# Allegro board RK_NVR_DEMO1_RK3588_LP4XD200P232SD8_V21_20211228_final_lint.brd (continued)
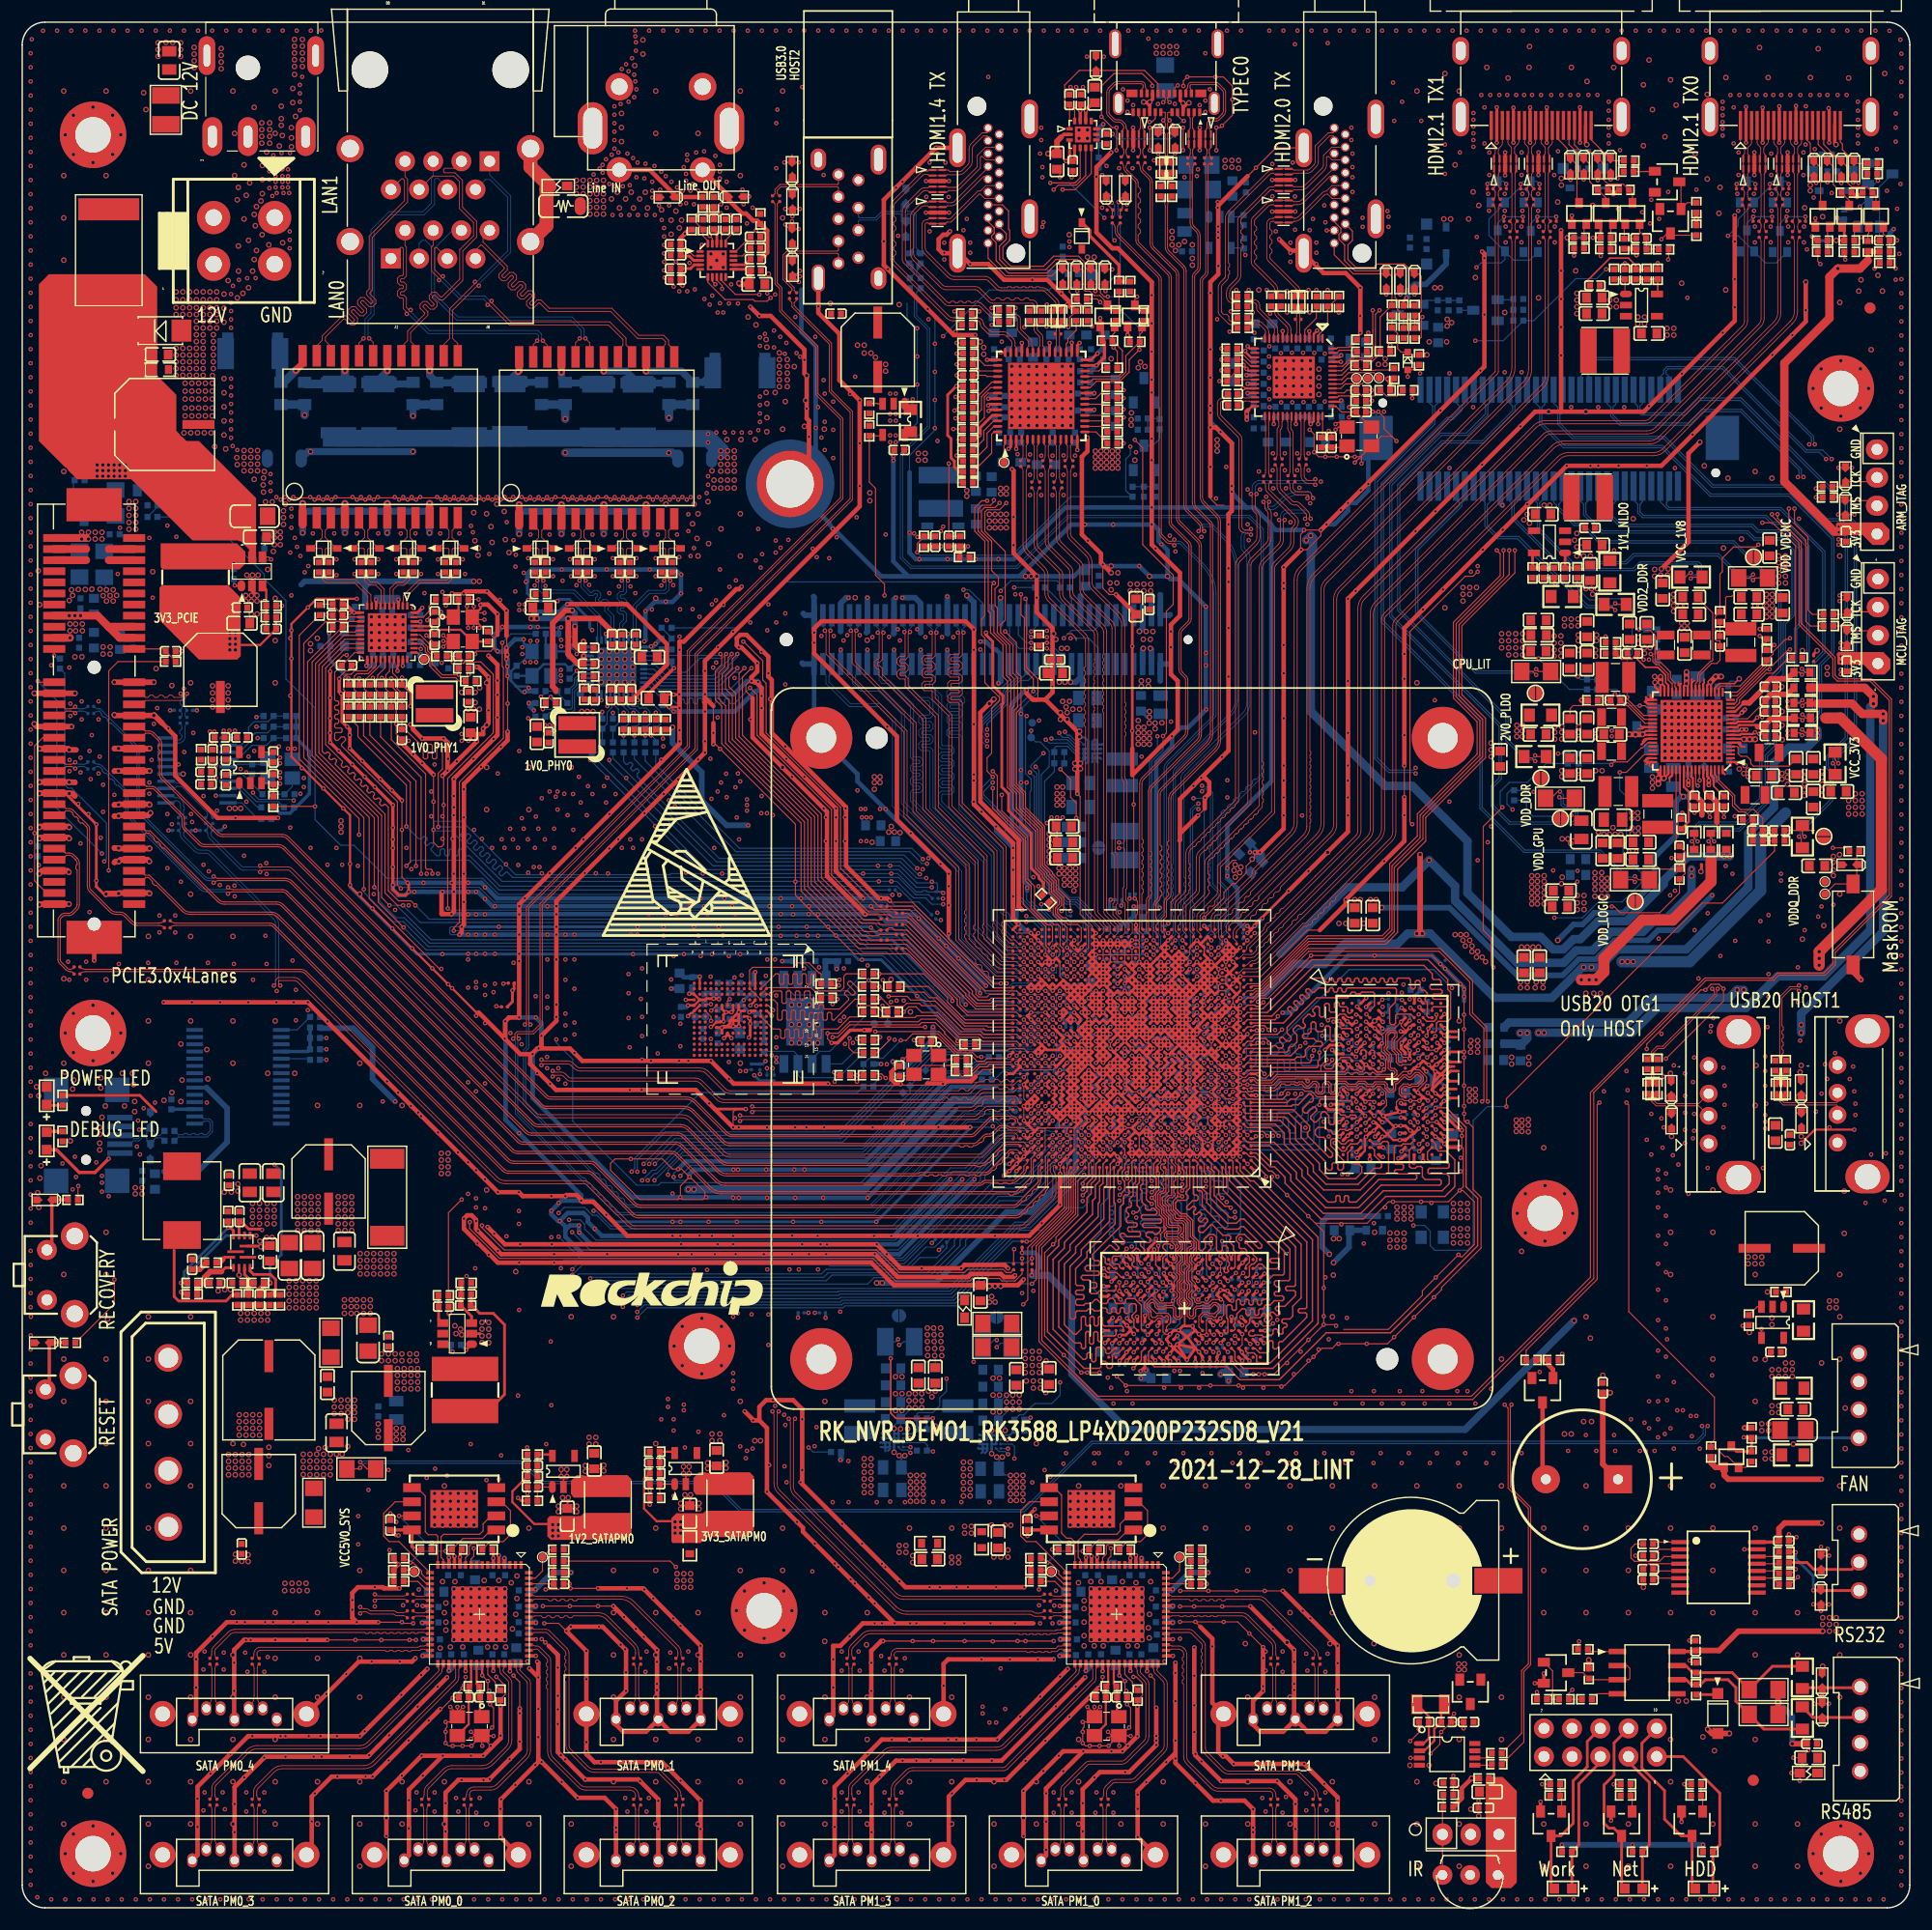
[diagram p0: board, top side]
## Routing (per net, layer and track width the routed paths; a pad name or vN(x,y) marks a point on that pad's centre or on a via; arc(x,y) is an arc through that point) (continued)
POWER_LED_EN_H_GPIO3_B7: length 162.3
  TOP w0.089: U1000.AA28 93.17,79.74
  TOP w0.102: R9006.1 v1(136.95,11.14) ; 93.17,79.74 v1(92.85,80.06)
  L4-S1 w0.089: 88.47,80.61 88.77,80.61 89,80.39 92.52,80.39 v1(92.85,80.06)
  L4-S1 w0.102: 88.47,80.61 84,80.61 82.95,81.65 79.55,81.65 v1(79.42,81.78) ; v1(87.15,16.71) 87.04,16.81 87.04,19.95 71.98,35.01 71.98,44.16 68.37,47.77 68.37,84.24 v1(67.13,85.49)
  L6-S2 w0.102: v1(87.15,16.71) 89.48,14.37 93.75,14.37 95.17,12.95 101.47,12.95 102.08,12.34 107.97,12.34 108.99,13.35 119.15,13.35 122.5,10 134.19,10 135.33,11.14 v1(136.95,11.14) ; v1(67.13,85.49) 68.35,86.71 76.48,86.71 79.42,83.76 v1(79.42,81.78)
PWM3_IR_M0: length 153.7
  TOP w0.102: R9001.1 128.95,10.2 C9000.1 v1(128.95,11.88) ; U1000.V29 v1(92.2,78.11)
  L4-S1 w0.102: v1(86.54,18.13) 86.2,18.47 86.2,20.27 83.09,23.38 79.76,23.38 78,25.14 76.48,25.14 74.85,26.76 74.85,27.58 69.87,32.55 68.32,32.55 64.49,36.39 64.49,40.68 64.18,40.99 64.18,42.82 61.34,45.66 60.42,45.66 57.78,48.3 57.78,64.86 57.58,65.07 57.58,65.98 v1(56.5,67.06)
  L6-S2 w0.102: v1(128.95,11.88) 128.9,11.83 123.26,11.83 120.62,14.47 108.21,14.47 105.54,17.14 95.2,17.14 94.77,16.71 89.08,16.71 87.65,18.13 v1(86.54,18.13)
  BOTTOM w0.089: 88.47,77.64 89.48,77.64 89.71,77.41 91.49,77.41 v1(92.2,78.11)
  BOTTOM w0.102: 88.47,77.64 85.06,77.64 84.58,77.16 82.37,77.16 79.93,74.71 79.12,74.71 73.74,69.33 58.77,69.33 v1(56.5,67.06)
PWM8_M1_BEEP: length 71.3
  TOP w0.089: U1000.AD2 110.07,81.69
  TOP w0.102: v1(132.05,72.69) 131.95,72.79 131.95,79.39 130.68,80.66 130.68,83.56 127.76,86.48 115.84,86.48 111.8,82.44 111.32,82.44 110.91,82.03 110.41,82.03 110.07,81.69 ; v1(142.11,72.59) 141.91,72.38 141.91,56.65 135.51,50.25 R7005.1
  L6-S2 w0.102: v1(142.11,72.59) 142.01,72.69 v1(132.05,72.69)
PWM9_M1_FAN: length 86.6
  TOP w0.089: U1000.AD1 110.72,81.69
  TOP w0.102: 110.72,81.69 110.88,81.69 111.42,82.23 111.93,82.23 115.92,86.23 127.66,86.23 130.43,83.46 130.43,80.56 131.7,79.29 131.7,72.84 v1(131.54,72.69) ; R9902.1 155.3,39.71 Q9501.2 153.67,40.68 153.39,40.68 152.53,41.54 R9904.2 152.17,41.9 152.47,42.21 152.47,46.02 144.75,53.75 144.75,72.38 v1(144.55,72.59)
  L6-S2 w0.102: v1(144.55,72.59) 144.04,73.09 131.95,73.09 v1(131.54,72.69)
RECOVERY_KEY: length 158
  TOP w0.089: U1000.AL16 100.97,86.24
  TOP w0.102: R9200.1 5.02,65.04 v1(5.05,65.07) ; 100.97,86.24 v1(101.3,86.56)
  L6-S2 w0.102: v1(5.05,65.07) 2.61,67.51 2.61,90.97 1.12,92.47 1.12,94.43 1.22,94.53 5.97,94.53 7.9,96.46 29.03,96.46 30.43,97.86 64.57,97.86 64.89,98.19 64.89,100.63 65.71,101.44 65.71,102.61 71.14,108.04 76.58,108.04 76.88,107.74 89.28,107.74 v1(90.9,106.11)
  BOTTOM w0.089: 96.29,88.96 96.29,88.94 97,88.23 R1502.2 98.46,87.54 99.52,87.54 99.67,87.39 99.67,87.08 99.86,86.89 100.13,86.89 100.15,86.9 100.59,86.9 100.89,86.61 C1501.1 101.25,86.61 v1(101.3,86.56)
  BOTTOM w0.102: 96.29,88.96 96.29,89.96 95.17,91.08 94.36,91.08 92.98,92.45 92.98,93.16 92.12,94.02 92.12,97.48 91.82,97.78 91.82,102.15 92.53,102.86 92.53,104.28 91.72,105.1 91.31,105.1 TP1500.1 v1(90.9,106.11)
RESET_L: length 254.5
  TOP w0.089: v1(90.9,73.56) 91.22,73.89 U1000.M31
  TOP w0.102: v1(8.3,56.63) 8.3,54.44 R9201.1 ; R2138.2 142.43,109.31 143.38,109.31 143.48,109.42 v1(143.51,109.42) 143.53,109.42 143.63,109.31 143.63,109.23 C2166.1 144.24,108.63 144.67,108.63 146.16,107.13 U2100.40
  L4-S1 w0.102: v1(48.13,78.27) 48.13,79.29 48.54,79.7 48.54,90.62 62.66,104.75 v1(62.66,107.31)
  L6-S2 w0.102: v1(48.13,78.27) 47.22,79.19 44.47,79.19 44.37,79.29 30.96,79.29 v1(8.3,56.63) ; v1(143.51,109.42) 143.48,109.42 142.62,110.28 139.47,110.28 136.93,112.82 136.93,114.34 135.3,115.97 121.89,115.97 116.41,110.48 106.25,110.48 105.13,109.36 99.03,109.36 97.41,110.99 97.41,115.36 96.49,116.27 88.36,116.27 85.21,119.42 72.62,119.42 67.64,114.44 67.64,112.41 66.22,110.99 65.2,110.99 62.66,108.45 v1(62.66,107.31)
  BOTTOM w0.089: v1(90.9,73.56) 90.8,73.66 C1100.1 R1102.1 88.82,73.66 88.56,73.4 88.47,73.4
  BOTTOM w0.102: v1(48.13,78.27) 48.13,77.97 49.6,76.5 49.6,70.91 55.37,65.14 57.33,65.14 57.55,65.37 75.59,65.37 83.61,73.4 88.47,73.4
RS232_RX: length 6.8
  TOP w0.254: R9512.2 160.81,31.12 161.43,30.5 ED9502.1 164.86,30.5 J9501.2
RS232_TX: length 8.8
  TOP w0.254: v1(161.39,28.62) ED9503.1 162.07,28.6 J9501.3 ; v1(159.79,32.05) 159.75,32.09 R9511.2
  BOTTOM w0.254: v1(159.79,32.05) 159.79,31.49 161.39,29.89 v1(161.39,28.62)
RSET0: length 2.9
  BOTTOM w0.102: U6701.39 50.34,113.25 50.16,113.43 50.16,113.89 R6721.1
RSET1: length 2.9
  TOP w0.102: R6821.1 36.65,117.32 36.65,116.86 36.15,116.35 U6801.39
RTCIC_INT_L_GPIO0_B2: length 126.1
  TOP w0.102: U2203.3 v1(125.09,13.51) ; U1000.K29 v1(92.2,72.26)
  L4-S1 w0.102: v1(88.57,17.92) 87.68,18.81 87.68,20.19 72.49,35.37 72.49,44.52 69.14,47.87 69.14,51.81 70.41,53.08 70.41,53.7 73.2,56.5 v1(73.2,74.47)
  L6-S2 w0.089: v1(92.2,72.26) 91.87,71.94 89.72,71.94 89.58,72.08 88.47,72.08
  L6-S2 w0.102: v1(88.57,17.92) 88.77,17.72 95.6,17.72 95.78,17.54 105.71,17.54 108.38,14.88 121.49,14.88 122.85,13.51 v1(125.09,13.51) ; 88.47,72.08 79.53,72.08 77.54,74.06 74.7,74.06 74.28,74.47 v1(73.2,74.47)
SARADC_VIN5_HW_ID: length 3.6
  TOP w0.089: U1000.AK15 v1(101.3,85.91)
  BOTTOM w0.089: R9300.2 99.2,86.1 R9301.1 99.69,85.7 100.6,85.7 C1502.1 101.21,86 v1(101.3,85.91)
SATA30_0_RXN: length 108.5
  TOP w0.076: U1000.N34 89.2,74.46 88.97,74.46 88.77,74.67 88.54,74.67 88.34,74.46 88.11,74.46 87.91,74.67 87.68,74.67 87.47,74.46 87.24,74.46 87.04,74.67 86.81,74.67 86.61,74.46 86.27,74.46 arc(86.08,74.43) 85.92,74.32 85.36,73.76 85.28,73.68 arc(85.25,73.66) 85.22,73.65 85.02,73.65 84.82,73.86 84.59,73.86 84.39,73.65 63.81,73.65 arc(63.58,73.7) 63.39,73.82 61.82,75.4 arc(61.47,75.63) 61.07,75.71 50.32,75.71 arc(50.09,75.76) 49.9,75.89 49.65,76.14 arc(49.42,76.29) 49.14,76.34 47.05,76.34 arc(46.91,76.37) v1(46.78,76.46) ; v1(30.45,27.11) arc(30.61,27) 30.8,26.97 30.8,26.97 30.95,26.97 arc(31.15,26.93) 31.31,26.82 arc(31.37,26.78) 31.45,26.76 33.5,26.76 arc(33.59,26.75) 33.67,26.69 33.71,26.65 arc(33.76,26.62) 33.81,26.61 34.32,26.61 arc(34.53,26.66) C8216.1
  L6-S2 w0.076: v1(46.78,76.46) arc(46.72,76.41) 46.65,76.4 46.51,76.4 arc(46.22,76.34) 45.97,76.18 45.69,75.9 arc(45.52,75.64) 45.46,75.34 45.46,45.9 40.68,41.11 35.7,41.11 31.04,36.45 31.04,27.32 arc(30.95,27.12) 30.76,27.04 30.61,27.04 arc(30.53,27.06) v1(30.45,27.11)
SATA30_0_RXP: length 108.7
  TOP w0.076: U1000.N33 89.71,74.54 89.36,74.19 86.27,74.19 arc(86.19,74.17) 86.12,74.12 85.56,73.56 85.48,73.48 arc(85.36,73.4) 85.21,73.37 63.81,73.37 arc(63.47,73.44) 63.19,73.63 61.62,75.2 arc(61.37,75.37) 61.07,75.43 50.32,75.43 arc(49.99,75.5) 49.7,75.69 49.45,75.94 arc(49.31,76.03) 49.14,76.07 47.05,76.07 arc(46.91,76.04) v1(46.78,75.95) ; C8218.1 34.67,26.19 arc(34.51,26.3) 34.31,26.33 33.76,26.33 arc(33.65,26.36) 33.55,26.42 arc(33.48,26.47) 33.4,26.48 31.44,26.48 arc(31.27,26.52) 31.11,26.62 arc(31.04,26.67) 30.95,26.69 30.8,26.69 arc(30.61,26.65) v1(30.45,26.54)
  L6-S2 w0.076: v1(46.78,75.95) 46.78,75.96 arc(46.66,76.04) 46.51,76.07 arc(46.35,76.04) 46.21,75.94 45.93,75.66 arc(45.83,75.52) 45.79,75.34 45.79,45.76 40.82,40.78 35.84,40.78 31.37,36.31 31.37,27.32 arc(31.19,26.89) 30.76,26.71 30.76,26.71 arc(30.63,26.69) 30.53,26.62 v1(30.45,26.54)
SATA30_0_TXN: length 103.8
  TOP w0.076: U1000.M33 89.68,73.89 89.3,73.5 86.66,73.5 arc(86.53,73.47) 86.43,73.4 85.82,72.79 85.75,72.72 arc(85.6,72.62) 85.42,72.59 63.25,72.59 arc(62.87,72.66) 62.55,72.88 61.12,74.3 arc(60.88,74.46) 60.6,74.52 49.47,74.52 arc(49.23,74.56) 49.03,74.7 48.77,74.95 arc(48.66,75.02) 48.54,75.05 48.07,75.05 arc(47.92,75.02) v1(47.8,74.94) ; C8210.1 34.64,27.72 arc(34.51,27.8) 34.36,27.83 32.12,27.83 arc(31.93,27.79) v1(31.77,27.69)
  L6-S2 w0.076: v1(31.77,27.69) 31.84,27.75 arc(31.92,27.81) 32.02,27.83 arc(32.18,27.86) 32.31,27.95 32.32,27.95 arc(32.44,28.14) 32.48,28.36 32.48,36.01 36.45,39.97 41.32,39.97 46.96,45.61 46.96,74.54 arc(46.99,74.66) 47.06,74.76 47.19,74.9 47.25,74.95 arc(47.33,75.01) 47.42,75.02 47.59,75.02 arc(47.71,75) v1(47.8,74.94)
SATA30_0_TXP: length 103.9
  TOP w0.076: C8212.1 34.68,28.24 arc(34.53,28.14) 34.36,28.11 32.12,28.11 arc(31.93,28.15) v1(31.77,28.25) ; U1000.M34 89.16,73.78 88.94,73.78 88.73,73.98 88.5,73.98 88.3,73.78 88.07,73.78 87.87,73.98 87.64,73.98 87.44,73.78 86.66,73.78 arc(86.43,73.73) 86.23,73.6 85.62,72.99 85.55,72.92 arc(85.49,72.88) 85.42,72.86 85.23,72.86 85.02,73.07 84.8,73.07 84.59,72.86 84.36,72.86 84.16,73.07 83.93,73.07 83.73,72.86 83.5,72.86 83.3,73.07 83.07,73.07 82.87,72.86 63.25,72.86 arc(62.98,72.92) 62.74,73.08 61.32,74.5 arc(60.99,74.72) 60.6,74.8 49.47,74.8 arc(49.34,74.82) 49.22,74.9 48.97,75.15 arc(48.77,75.28) 48.54,75.33 48.07,75.33 arc(47.92,75.36) v1(47.8,75.44)
  L6-S2 w0.076: v1(31.77,28.25) 31.84,28.19 arc(31.86,28.16) 31.89,28.15 arc(31.96,28.16) 32.02,28.16 arc(32.05,28.17) 32.08,28.18 32.08,28.19 arc(32.14,28.27) 32.15,28.36 32.15,36.15 36.31,40.3 41.19,40.3 46.63,45.75 46.63,74.54 arc(46.68,74.78) 46.82,75 47.01,75.19 arc(47.2,75.31) 47.42,75.35 47.59,75.35 arc(47.71,75.38) v1(47.8,75.44)
SATA30_1_RXN: length 90.6
  TOP w0.076: U1000.J34 89.23,71.98 89.01,71.98 88.9,71.87 88.47,71.87 88.37,71.98 88.14,71.98 87.94,71.77 87.71,71.77 87.51,71.98 87.09,71.98 arc(86.95,71.95) 86.84,71.87 86.74,71.77 86.74,71.57 86.54,71.37 86.33,71.37 86.23,71.26 arc(86.01,71.11) 85.74,71.06 65.01,71.06 arc(64.83,71.03) v1(64.68,70.92) ; C8316.1 arc(91.88,26.62) 91.6,26.56 91.38,26.56 arc(91.24,26.59) 91.11,26.67 arc(91.04,26.72) 90.95,26.74 79.73,26.74 arc(79.2,26.84) 78.75,27.14 78.72,27.18 68.28,37.62 arc(68.09,37.91) 68.02,38.24 68.02,44.4 arc(68.06,44.59) v1(68.16,44.75)
  L6-S2 w0.076: v1(68.16,44.75) 68,44.59 arc(67.96,44.52) 67.94,44.44 arc(67.82,44.15) 67.54,44.04 67.23,44.04 arc(67.08,44.07) 66.95,44.16 65.25,45.85 arc(65.12,46.05) 65.07,46.28 65.07,70.82 arc(65.02,70.96) 64.89,71.01 arc(64.77,70.99) v1(64.68,70.92)
SATA30_1_RXP: length 90.8
  TOP w0.076: U1000.J33 89.6,72.26 87.09,72.26 arc(86.85,72.21) 86.64,72.07 86.03,71.46 arc(85.9,71.37) 85.74,71.34 64.89,71.34 arc(64.77,71.36) v1(64.68,71.43) ; C8318.1 arc(91.96,26.25) 91.78,26.28 91.23,26.28 arc(91.12,26.3) 91.02,26.37 arc(90.92,26.44) 90.8,26.46 79.73,26.46 arc(79.09,26.58) 78.56,26.94 78.52,26.98 68.08,37.42 arc(67.83,37.8) 67.74,38.24 67.74,44.4 arc(67.7,44.59) v1(67.6,44.75)
  L6-S2 w0.076: v1(67.6,44.75) 67.61,44.73 67.61,44.44 arc(67.59,44.39) 67.54,44.37 67.23,44.37 arc(67.2,44.37) 67.18,44.39 65.48,46.08 arc(65.42,46.17) 65.4,46.28 65.4,70.82 arc(65.25,71.19) 64.89,71.34 arc(64.77,71.36) v1(64.68,71.43)
SATA30_1_TXN: length 87.8
  TOP w0.076: U1000.K34 89.37,72.59 89.45,72.66 89.45,72.81 89.37,72.89 89.09,72.89 88.89,72.69 88.66,72.69 88.45,72.89 88.22,72.89 88.02,72.69 87.79,72.69 87.59,72.89 86.84,72.89 arc(86.74,72.87) 86.65,72.81 86.63,72.79 86.57,72.73 86.57,72.44 86.4,72.28 86.12,72.28 85.89,72.05 arc(85.66,71.9) 85.4,71.85 66.04,71.85 arc(65.9,71.82) v1(65.78,71.74) ; C8312.1 arc(91.94,27.76) 91.73,27.81 79.4,27.81 arc(78.95,27.89) 78.57,28.15 69.53,37.19 arc(69.3,37.54) 69.21,37.96 69.21,43.74 arc(69.18,43.93) v1(69.07,44.09)
  L6-S2 w0.076: v1(65.78,71.74) arc(65.87,71.8) 65.98,71.82 66.01,71.82 arc(66.13,71.78) 66.18,71.66 66.18,71.41 arc(66.18,71.41) 66.18,71.41 arc(66.11,71.17) 66.09,70.92 66.09,48.49 arc(66.19,47.98) 66.48,47.54 69.13,44.89 arc(69.15,44.86) 69.16,44.81 69.16,44.31 arc(69.14,44.19) v1(69.07,44.09)
SATA30_1_TXP: length 87.8
  TOP w0.076: U1000.K33 89.73,72.78 89.73,72.93 89.49,73.17 86.84,73.17 arc(86.63,73.13) 86.45,73.01 85.69,72.25 arc(85.56,72.16) 85.4,72.13 66.04,72.13 arc(65.9,72.16) v1(65.78,72.24) ; C8310.1 arc(91.91,28.13) 91.66,28.08 79.4,28.08 arc(79.06,28.15) 78.77,28.35 69.73,37.39 arc(69.55,37.65) 69.49,37.96 69.49,43.74 arc(69.53,43.93) v1(69.64,44.09)
  L6-S2 w0.076: v1(65.78,72.24) arc(65.87,72.18) 65.98,72.15 66.01,72.15 arc(66.36,72.01) 66.51,71.66 66.51,71.36 arc(66.51,71.34) 66.5,71.33 arc(66.49,71.31) 66.49,71.29 arc(66.44,71.11) 66.42,70.92 66.42,48.49 arc(66.5,48.1) 66.72,47.77 69.36,45.13 arc(69.46,44.98) 69.49,44.81 69.49,44.43 arc(69.53,44.25) v1(69.64,44.09)
SATAPM0_GPIO0: length 10.6
  TOP w0.102: U8201.6 33.61,36.6 32.56,35.55 32.56,33.52 33.07,33.01 33.94,33.01 U8200.17
SATAPM0_GPIO1: length 8.6
  TOP w0.102: U8201.5 35.58,37.87 36.32,37.13 36.32,33.9 36.59,33.63 37.3,33.63 37.45,33.49 U8200.16
SATAPM0_GPIO2: length 8.8
  TOP w0.102: U8200.15 37.95,31.39 37.74,31.59 37.74,33.44 37.97,33.67 41.22,33.67 41.53,33.98 41.53,34.61 42.24,35.33 U8201.2
SATAPM0_GPIO3: length 10.2
  TOP w0.102: U8201.3 43.2,36.6 43.99,35.81 43.99,33.65 43.36,33.01 42.17,33.01 R8204.2 40.95,32.81 40.49,32.81 40.28,32.61 40.28,31.89 39.95,31.56 U8200.11
SATAPM0_GPIO4: length 11.3
  TOP w0.102: U8200.10 40.45,31.45 40.69,31.69 v1(40.69,32.4) ; U8201.7 v1(33.96,35.33) ; v1(36.93,32.91) 36.87,32.85 R8205.2
  BOTTOM w0.102: v1(40.69,32.4) 40.18,32.91 v1(36.93,32.91) 36.38,32.91 v1(33.96,35.33)
SATAPM0_GPIO12: length 4
  TOP w0.102: R8202.2 47.55,32.28 TP8200.1 46.88,30.36 46.22,29.71 U8200.63
SATAPM0_GPIO13: length 2.9
  TOP w0.102: R8210.2 35.19,30.44 TP8201.1 36.42,29.21 U8200.19
SATAPM0_GPIO14: length 12.2
  TOP w0.102: U8201.1 42.24,34.06 41.48,33.29 39.71,33.29 R8203.2 38.3,32.3 v1(38.15,32.15) ; U8200.18 36.37,29.71 35.99,30.09 35.99,30.35 35.23,31.11 v1(34.97,31.11) 34.57,31.51 R8208.2
  BOTTOM w0.102: v1(34.97,31.11) 36.02,32.15 v1(38.15,32.15)
SATAPM0_REXT: length 2.9
  TOP w0.102: R8206.1 42.63,20.09 42.63,20.35 41.95,21.03 U8200.42
SATAPM0_RSTN: length 4.3
  TOP w0.102: R8201.2 R8200.2 C8204.1 47.88,29.21 U8200.62
SATAPM0_RSTN_L_GPIO4_A0: length 135.8
  TOP w0.102: v1(58.9,30.73) 58.37,31.26 R8201.1 ; U1000.AK30 v1(91.55,85.91)
  L4-S1 w0.102: v1(58.9,30.73) 58.19,31.44 58.19,42.41 46.51,54.09 46.51,63.44 42.14,67.81 42.14,80.1 46,83.96 46,93.72 v1(46.1,93.82)
  L6-S2 w0.102: v1(90.47,89.4) 89.94,89.4 83.26,96.08 77.57,96.08 76.92,96.73 70.14,96.73 67.58,94.17 46.45,94.17 v1(46.1,93.82)
  BOTTOM w0.102: v1(91.55,85.91) 91.56,85.91 92.08,86.44 92.08,88.3 91.11,89.27 90.6,89.27 v1(90.47,89.4)
SATAPM0_RXN0: length 17.7
  TOP w0.076: U8200.45 43.45,21.75 arc(43.43,21.65) 43.37,21.57 arc(43.35,21.53) 43.34,21.48 43.34,21.38 arc(43.34,21.36) 43.34,21.34 arc(43.36,21.28) 43.39,21.24 43.91,20.72 arc(44.07,20.49) 44.12,20.23 44.12,15.14 arc(44.02,14.67) 43.76,14.27 42.49,13 42.45,12.96 arc(41.98,12.65) 41.43,12.54 38.74,12.54 arc(38.4,12.47) 38.12,12.29 36.65,10.81 arc(36.54,10.64) 36.5,10.44 36.5,10.11 arc(36.53,9.93) C8217.1
SATAPM0_RXN1: length 12.2
  TOP w0.076: U8200.57 45.92,26.71 arc(46.01,26.69) 46.08,26.64 arc(46.13,26.61) 46.19,26.6 51.93,26.6 arc(52.4,26.51) 52.79,26.24 55.23,23.8 arc(55.47,23.45) 55.55,23.04 55.55,22.9 arc(55.59,22.67) C8202.1
SATAPM0_RXN2: length 21
  TOP w0.076: C8207.1 55.65,9.85 arc(55.57,9.97) 55.55,10.1 arc(55.32,10.66) 54.76,10.89 50.82,10.89 arc(50.52,10.95) 50.26,11.12 47.86,13.52 arc(47.68,13.79) 47.62,14.11 47.62,22.29 arc(47.57,22.5) 47.46,22.68 46.64,23.49 arc(46.53,23.57) 46.39,23.6 46.28,23.6 arc(46.19,23.61) 46.11,23.64 arc(46.03,23.69) 45.94,23.71 U8200.51
SATAPM0_RXN3: length 26.6
  TOP w0.076: U8200.34 37.95,21.8 arc(37.93,21.68) 37.88,21.58 arc(37.85,21.54) 37.84,21.48 37.84,21.48 arc(37.83,21.43) 37.83,21.39 37.82,21.31 arc(37.81,21.3) 37.81,21.3 arc(37.76,21.19) 37.69,21.1 31.32,14.72 arc(30.89,14.44) 30.4,14.34 21.21,14.34 arc(20.78,14.26) 20.43,14.02 17.49,11.08 arc(17.4,10.95) 17.37,10.79 17.37,10.2 arc(17.41,9.97) C8222.1
SATAPM0_RXN4: length 21.4
  TOP w0.076: C8240.1 17.51,22.51 arc(17.39,22.69) 17.35,22.9 arc(17.35,22.93) 17.35,22.95 17.35,23.13 arc(17.37,23.24) 17.43,23.33 18.75,24.65 arc(18.94,24.77) 19.16,24.82 30.86,24.82 30.94,24.73 31.17,24.73 31.26,24.82 31.49,24.82 31.58,24.73 31.8,24.73 31.89,24.82 32.12,24.82 32.21,24.73 32.44,24.73 32.52,24.82 32.75,24.82 32.84,24.73 33.07,24.73 33.16,24.82 33.38,24.82 33.47,24.73 33.7,24.73 33.79,24.82 34.02,24.82 34.1,24.73 34.33,24.73 34.42,24.82 34.65,24.82 34.74,24.73 34.96,24.73 35.05,24.82 35.28,24.82 35.37,24.73 35.6,24.73 35.68,24.82 36.16,24.82 arc(36.26,24.8) 36.35,24.74 arc(36.38,24.72) 36.42,24.71 U8200.28
SATAPM0_RXN5: length 1.6
  TOP w0.076: C8210.2 35.21,27.65 arc(35.36,27.75) 35.53,27.81 arc(35.58,27.81) 35.63,27.81 36.12,27.81 arc(36.18,27.81) 36.24,27.82 arc(36.29,27.8) 36.34,27.77 arc(36.43,27.72) 36.54,27.71 U8200.22
SATAPM0_RXN_0: length 4.2
  TOP w0.076: J8202.5 36.65,5.58 arc(36.51,5.79) 36.46,6.04 36.46,8.85 arc(36.5,9.08) C8217.2
SATAPM0_RXN_1: length 4.2
  TOP w0.076: C8202.2 arc(55.59,21.78) 55.55,21.55 55.55,19.17 arc(55.68,18.52) J8200.5
SATAPM0_RXN_2: length 4.2
  TOP w0.076: C8207.2 55.72,9.27 arc(55.59,9.09) 55.55,8.87 arc(55.55,8.85) 55.55,8.83 55.55,6.34 arc(55.65,5.81) 55.95,5.37 J8201.5
SATAPM0_RXN_3: length 4.2
  TOP w0.076: J8203.5 17.7,5.44 arc(17.45,5.81) 17.37,6.24 17.37,8.85 arc(17.41,9.08) C8222.2
SATAPM0_RXN_4: length 4.2
  TOP w0.076: J8204.5 17.84,18 arc(17.49,18.52) 17.37,19.14 17.37,21.55 arc(17.41,21.78) C8240.2
SATAPM0_RXP0: length 17.7
  TOP w0.076: U8200.44 42.95,21.76 arc(42.97,21.65) 43.03,21.56 arc(43.05,21.53) 43.06,21.49 43.06,21.28 arc(43.07,21.19) 43.13,21.11 43.16,21.08 43.72,20.52 arc(43.81,20.39) 43.84,20.23 43.84,15.14 arc(43.77,14.78) 43.56,14.47 42.29,13.2 42.25,13.16 arc(41.87,12.91) 41.43,12.82 38.74,12.82 arc(38.3,12.73) 37.93,12.48 36.45,11.01 arc(36.28,10.75) 36.22,10.44 36.22,10.22 arc(36.18,10.01) 36.06,9.84 C8219.1
SATAPM0_RXP1: length 12.3
  TOP w0.076: C8203.1 55.09,22.48 arc(55.22,22.67) 55.27,22.9 55.27,23.04 arc(55.21,23.35) 55.03,23.61 52.59,26.05 arc(52.29,26.25) 51.93,26.32 49.67,26.32 49.5,26.15 49.28,26.15 49.11,26.32 48.88,26.32 48.72,26.15 48.49,26.15 48.32,26.32 48.09,26.32 47.93,26.15 47.7,26.15 47.54,26.32 47.31,26.32 47.14,26.15 46.91,26.15 46.75,26.32 46.19,26.32 arc(46.13,26.31) 46.08,26.28 arc(46.01,26.23) 45.92,26.21 U8200.56
SATAPM0_RXP2: length 20.9
  TOP w0.076: U8200.50 45.91,23.21 arc(46.02,23.23) 46.11,23.29 arc(46.16,23.31) 46.21,23.32 46.39,23.32 arc(46.42,23.31) 46.45,23.3 47.26,22.49 arc(47.32,22.4) 47.34,22.29 47.34,22.14 47.24,22.04 47.24,21.81 47.34,21.71 47.34,21.48 47.24,21.38 47.24,21.15 47.34,21.05 47.34,20.82 47.24,20.72 47.24,20.49 47.34,20.39 47.34,20.16 47.24,20.06 47.24,19.83 47.34,19.73 47.34,14.11 arc(47.42,13.68) 47.67,13.32 50.07,10.92 arc(50.41,10.69) 50.82,10.61 54.76,10.61 arc(55.12,10.46) 55.27,10.1 arc(55.24,9.97) 55.16,9.85 C8208.1
SATAPM0_RXP3: length 26.6
  TOP w0.076: U8200.33 37.45,21.73 arc(37.46,21.65) 37.51,21.58 arc(37.53,21.54) 37.54,21.5 37.54,21.39 arc(37.51,21.33) 37.47,21.28 36.76,20.56 31.12,14.92 arc(30.79,14.7) 30.4,14.62 21.21,14.62 arc(20.68,14.52) 20.23,14.22 17.29,11.28 arc(17.14,11.06) 17.09,10.79 17.09,10.2 arc(17.04,9.97) C8223.1
SATAPM0_RXP4: length 21.3
  TOP w0.076: U8200.27 36.46,25.21 arc(36.39,25.2) 36.33,25.16 arc(36.26,25.11) 36.19,25.1 19.16,25.1 arc(18.83,25.03) 18.55,24.85 17.23,23.53 arc(17.11,23.34) 17.07,23.13 17.07,22.85 arc(17.03,22.65) C8241.1
SATAPM0_RXP5: length 1.6
  TOP w0.076: C8212.2 35.24,28.25 arc(35.42,28.13) 35.63,28.08 36.12,28.08 arc(36.25,28.11) 36.35,28.18 arc(36.38,28.2) 36.42,28.21 U8200.21
SATAPM0_RXP_0: length 4.2
  TOP w0.076: J8202.6 35.99,5.58 arc(36.13,5.79) 36.18,6.04 36.18,8.85 arc(36.13,9.08) C8219.2
SATAPM0_RXP_1: length 4.2
  TOP w0.076: C8203.2 arc(55.22,21.78) 55.27,21.55 55.27,19.17 arc(55.14,18.52) J8200.6
SATAPM0_RXP_2: length 4.2
  TOP w0.076: J8201.6 54.86,5.37 arc(55.16,5.81) 55.27,6.34 55.27,8.83 arc(55.27,8.86) 55.27,8.88 arc(55.23,9.09) 55.11,9.26 C8208.2
SATAPM0_RXP_3: length 4.2
  TOP w0.076: J8203.6 16.76,5.44 arc(17,5.81) 17.09,6.24 17.09,8.85 arc(17.04,9.08) C8223.2
SATAPM0_RXP_4: length 4.2
  TOP w0.076: J8204.6 16.61,18 arc(16.96,18.52) 17.09,19.14 17.09,21.55 arc(17.04,21.78) C8241.2
SATAPM0_TESTN: length 2.7
  TOP w0.102: U8200.20 36.36,28.71 35.64,29.42 R8209.2
SATAPM0_TXN0: length 16.1
  TOP w0.076: U8200.47 44.45,21.7 arc(44.46,21.65) 44.49,21.6 44.52,21.57 arc(44.55,21.53) 44.56,21.48 44.56,21.38 arc(44.57,21.31) 44.61,21.26 44.68,21.18 45.45,20.41 arc(45.5,20.34) 45.51,20.26 45.51,14.21 arc(45.46,13.91) 45.29,13.66 42.75,11.12 arc(42.49,10.95) 42.19,10.89 40.71,10.89 arc(40.23,10.69) 40.03,10.2 arc(39.99,10.01) 39.88,9.85 C8215.1
SATAPM0_TXN1: length 16.6
  TOP w0.076: C8200.1 58.96,22.54 arc(59.05,22.67) 59.08,22.82 59.08,23 arc(59.03,23.23) 58.91,23.41 58.91,23.42 54.94,27.38 arc(54.46,27.7) 53.88,27.82 50.05,27.82 49.98,27.75 49.91,27.68 49.68,27.68 49.61,27.75 49.54,27.82 49.31,27.82 49.24,27.75 49.17,27.68 48.94,27.68 48.87,27.75 48.8,27.82 48.57,27.82 48.5,27.75 48.43,27.68 48.2,27.68 48.13,27.75 48.06,27.82 47.83,27.82 47.76,27.75 47.69,27.68 47.46,27.68 47.39,27.75 47.32,27.82 46.17,27.82 arc(46.13,27.81) 46.09,27.79 arc(46,27.73) 45.9,27.71 U8200.59
SATAPM0_TXN2: length 25.5
  TOP w0.076: C8206.1 58.97,9.85 arc(59.05,9.97) 59.08,10.1 59.08,10.16 arc(59.03,10.4) 58.89,10.6 57.37,12.13 arc(57.28,12.19) 57.17,12.21 51.59,12.21 arc(51.15,12.3) 50.78,12.54 49.2,14.12 arc(49.04,14.36) 48.99,14.64 48.99,20.37 48.89,20.47 48.89,20.7 48.99,20.8 48.99,21.03 48.89,21.13 48.89,21.36 48.99,21.46 48.99,21.69 48.89,21.79 48.89,22.02 48.99,22.12 48.99,22.35 48.89,22.45 48.89,22.68 48.99,22.78 48.99,22.92 arc(48.96,23.08) 48.87,23.21 47.31,24.77 arc(47.26,24.81) 47.19,24.82 46.12,24.82 46.01,24.71 U8200.53
SATAPM0_TXN3: length 24.6
  TOP w0.076: U8200.36 38.95,21.67 arc(38.95,21.65) 38.97,21.62 39.03,21.55 arc(39.05,21.53) 39.06,21.5 39.06,20.81 arc(39.02,20.64) 38.93,20.49 31.68,13.25 31.6,13.17 arc(31.21,12.91) 30.76,12.82 23.44,12.82 arc(22.94,12.72) 22.51,12.43 21.07,11 arc(20.91,10.75) 20.85,10.46 20.85,10.09 arc(20.82,9.92) C8221.1
SATAPM0_TXN4: length 16.7
  TOP w0.076: U8200.30 36.48,23.71 arc(36.39,23.69) 36.31,23.64 arc(36.27,23.61) 36.21,23.6 35.89,23.6 arc(35.84,23.59) 35.8,23.56 arc(35.71,23.51) 35.62,23.49 21.46,23.49 arc(21.05,23.32) 20.88,22.9 20.88,22.8 arc(20.85,22.65) 20.76,22.52 C8239.1
SATAPM0_TXN5: length 1.6
  TOP w0.076: U8200.24 36.44,26.71 arc(36.39,26.7) 36.34,26.67 36.33,26.66 arc(36.27,26.61) 36.19,26.58 arc(36.18,26.58) 36.17,26.58 35.62,26.58 arc(35.42,26.62) 35.26,26.73 C8216.2
SATAPM0_TXN_0: length 4.2
  TOP w0.076: J8202.3 39.73,5.51 arc(39.92,5.8) 39.99,6.14 39.99,8.88 arc(39.95,9.09) 39.83,9.26 C8215.2
SATAPM0_TXN_1: length 4.2
  TOP w0.076: J8200.3 58.67,18.07 arc(58.97,18.51) 59.08,19.04 59.08,21.55 arc(59.03,21.78) C8200.2
SATAPM0_TXN_2: length 4.2
  TOP w0.076: J8201.3 58.6,5.3 arc(58.95,5.82) 59.08,6.44 59.08,8.85 arc(59.03,9.08) C8206.2
SATAPM0_TXN_3: length 4.2
  TOP w0.076: J8203.3 20.64,5.51 arc(20.83,5.8) 20.9,6.14 20.9,8.85 arc(20.85,9.08) C8221.2
SATAPM0_TXN_4: length 4.2
  TOP w0.076: C8239.2 20.74,21.96 arc(20.86,21.79) 20.9,21.58 20.9,19.14 arc(20.77,18.52) 20.42,18 J8204.3
SATAPM0_TXP0: length 16
  TOP w0.076: U8200.48 44.95,21.75 arc(44.93,21.65) 44.87,21.57 arc(44.85,21.53) 44.84,21.48 arc(44.84,21.46) 44.84,21.45 arc(44.85,21.41) 44.88,21.38 45.65,20.61 arc(45.76,20.45) 45.79,20.26 45.79,14.21 arc(45.71,13.8) 45.48,13.46 42.94,10.92 arc(42.6,10.69) 42.19,10.61 40.71,10.61 arc(40.43,10.49) 40.31,10.2 40.31,10.11 arc(40.34,9.93) C8214.1
SATAPM0_TXP1: length 16.5
  TOP w0.076: U8200.60 45.93,28.21 arc(46.01,28.19) 46.07,28.15 arc(46.13,28.11) 46.2,28.1 53.88,28.1 arc(54.56,27.96) 55.14,27.58 59.11,23.61 arc(59.29,23.33) 59.36,23 59.36,22.82 arc(59.39,22.67) 59.47,22.54 C8201.1
SATAPM0_TXP2: length 25.6
  TOP w0.076: C8205.1 59.46,9.85 arc(59.38,9.97) 59.36,10.1 59.36,10.16 arc(59.29,10.5) 59.09,10.8 57.57,12.32 arc(57.38,12.45) 57.17,12.49 51.59,12.49 arc(51.26,12.55) 50.98,12.74 49.4,14.32 arc(49.3,14.47) 49.27,14.64 49.27,22.92 arc(49.22,23.19) 49.06,23.41 47.51,24.96 arc(47.36,25.06) 47.19,25.1 46.12,25.1 46.01,25.21 U8200.54
SATAPM0_TXP3: length 24.6
  TOP w0.076: C8220.1 21.24,9.89 arc(21.16,10.01) 21.13,10.15 arc(21.13,10.18) 21.13,10.2 21.13,10.46 arc(21.17,10.65) 21.27,10.8 22.71,12.23 arc(23.04,12.46) 23.44,12.54 30.76,12.54 arc(31.32,12.65) 31.8,12.97 39.12,20.3 arc(39.28,20.53) 39.34,20.81 39.34,21.5 arc(39.34,21.53) 39.36,21.55 39.42,21.62 arc(39.44,21.65) 39.45,21.67 U8200.37
SATAPM0_TXP4: length 16.6
  TOP w0.076: U8200.31 36.54,23.21 arc(36.42,23.23) 36.32,23.28 arc(36.27,23.31) 36.22,23.32 36.04,23.32 arc(35.96,23.3) 35.88,23.25 arc(35.83,23.22) 35.77,23.21 35.11,23.21 35.01,23.11 34.78,23.11 34.68,23.21 34.45,23.21 34.35,23.11 34.12,23.11 34.02,23.21 33.79,23.21 33.69,23.11 33.46,23.11 33.36,23.21 33.13,23.21 33.03,23.11 32.8,23.11 32.69,23.21 21.46,23.21 arc(21.25,23.12) 21.16,22.9 21.16,22.8 arc(21.18,22.69) 21.24,22.59 C8238.1
SATAPM0_TXP5: length 1.6
  TOP w0.076: U8200.25 36.44,26.21 arc(36.39,26.22) 36.34,26.25 36.33,26.26 arc(36.29,26.29) 36.23,26.3 35.48,26.3 arc(35.4,26.28) 35.34,26.24 arc(35.27,26.2) C8218.2
SATAPM0_TXP_0: length 4.2
  TOP w0.076: J8202.2 40.53,5.51 arc(40.34,5.8) 40.27,6.14 40.27,8.88 arc(40.31,9.09) 40.42,9.26 C8214.2
SATAPM0_TXP_1: length 4.2
  TOP w0.076: J8200.2 59.76,18.07 arc(59.46,18.51) 59.36,19.04 59.36,21.55 arc(59.4,21.78) C8201.2
SATAPM0_TXP_2: length 4.2
  TOP w0.076: J8201.2 59.83,5.3 arc(59.48,5.82) 59.36,6.44 59.36,8.85 arc(59.4,9.08) C8205.2
SATAPM0_TXP_3: length 4.2
  TOP w0.076: J8203.2 21.44,5.51 arc(21.25,5.8) 21.18,6.14 21.18,8.85 arc(21.22,9.08) C8220.2